# KiCad board Si5351ABreakout_panel.kicad_pcb (continued)
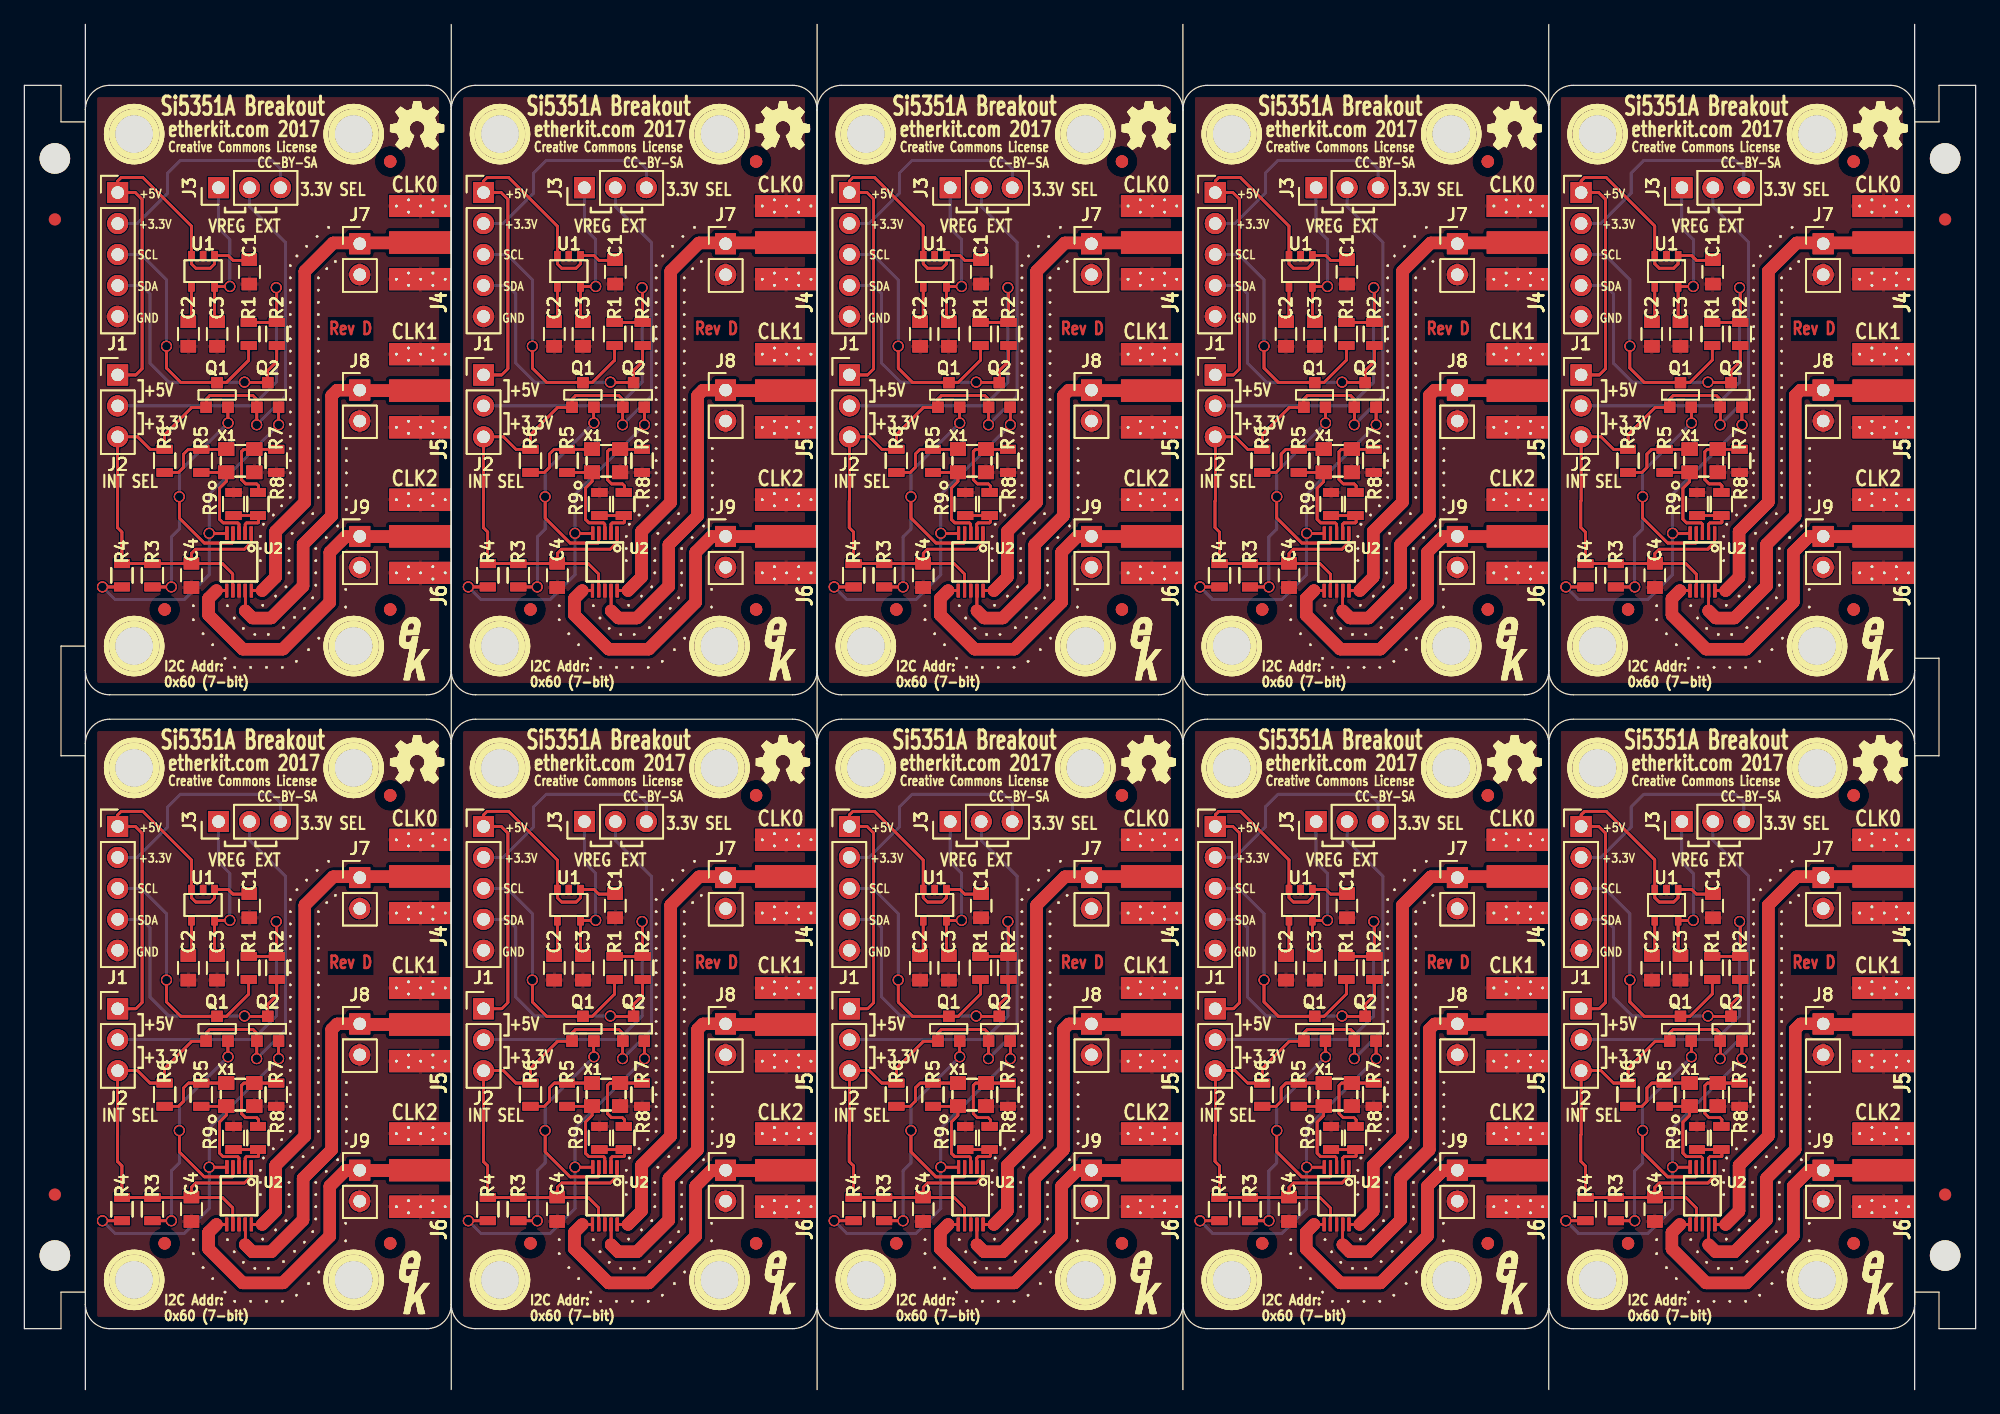
[diagram p0: board, top side]
## Placement (name value [footprint] x y rotation side) (continued)
J1#28  Power/Data  [Pin_Header_Straight_1x05_Pitch2.54mm]  37.65 46.2 0 top
J1#29  Power/Data  [Pin_Header_Straight_1x05_Pitch2.54mm]  67.65 46.2 0 top
J1#30  Power/Data  [Pin_Header_Straight_1x05_Pitch2.54mm]  67.65 46.2 0 top
J1#31  Power/Data  [Pin_Header_Straight_1x05_Pitch2.54mm]  67.65 46.2 0 top
J1#32  Power/Data  [Pin_Header_Straight_1x05_Pitch2.54mm]  67.65 46.2 0 top
J1#33  Power/Data  [Pin_Header_Straight_1x05_Pitch2.54mm]  127.65 46.2 0 top
J1#34  Power/Data  [Pin_Header_Straight_1x05_Pitch2.54mm]  127.65 46.2 0 top
J1#35  Power/Data  [Pin_Header_Straight_1x05_Pitch2.54mm]  127.65 46.2 0 top
J1#36  Power/Data  [Pin_Header_Straight_1x05_Pitch2.54mm]  127.65 46.2 0 top
J1#37  Power/Data  [Pin_Header_Straight_1x05_Pitch2.54mm]  97.65 46.2 0 top
J1#38  Power/Data  [Pin_Header_Straight_1x05_Pitch2.54mm]  97.65 46.2 0 top
J1#39  Power/Data  [Pin_Header_Straight_1x05_Pitch2.54mm]  97.65 46.2 0 top
J1#40  Power/Data  [Pin_Header_Straight_1x05_Pitch2.54mm]  97.65 46.2 0 top
J2  PS SEL  [Pin_Header_Straight_1x03_Pitch2.54mm]  7.65 83.24 0 top
J2#2  PS SEL  [Pin_Header_Straight_1x03_Pitch2.54mm]  37.65 83.24 0 top
J2#3  PS SEL  [Pin_Header_Straight_1x03_Pitch2.54mm]  67.65 83.24 0 top
J2#4  PS SEL  [Pin_Header_Straight_1x03_Pitch2.54mm]  97.65 83.24 0 top
J2#5  PS SEL  [Pin_Header_Straight_1x03_Pitch2.54mm]  127.65 83.24 0 top
J2#6  PS SEL  [Pin_Header_Straight_1x03_Pitch2.54mm]  7.65 83.24 0 top
J2#7  PS SEL  [Pin_Header_Straight_1x03_Pitch2.54mm]  37.65 83.24 0 top
J2#8  PS SEL  [Pin_Header_Straight_1x03_Pitch2.54mm]  67.65 83.24 0 top
J2#9  PS SEL  [Pin_Header_Straight_1x03_Pitch2.54mm]  97.65 83.24 0 top
J2#10  PS SEL  [Pin_Header_Straight_1x03_Pitch2.54mm]  127.65 83.24 0 top
J2#11  PS SEL  [Pin_Header_Straight_1x03_Pitch2.54mm]  127.65 83.24 0 top
J2#12  PS SEL  [Pin_Header_Straight_1x03_Pitch2.54mm]  97.65 83.24 0 top
J2#13  PS SEL  [Pin_Header_Straight_1x03_Pitch2.54mm]  67.65 83.24 0 top
J2#14  PS SEL  [Pin_Header_Straight_1x03_Pitch2.54mm]  37.65 83.24 0 top
J2#15  PS SEL  [Pin_Header_Straight_1x03_Pitch2.54mm]  7.65 83.24 0 top
J2#16  PS SEL  [Pin_Header_Straight_1x03_Pitch2.54mm]  7.65 83.24 0 top
J2#17  PS SEL  [Pin_Header_Straight_1x03_Pitch2.54mm]  37.65 83.24 0 top
J2#18  PS SEL  [Pin_Header_Straight_1x03_Pitch2.54mm]  67.65 83.24 0 top
J2#19  PS SEL  [Pin_Header_Straight_1x03_Pitch2.54mm]  97.65 83.24 0 top
J2#20  PS SEL  [Pin_Header_Straight_1x03_Pitch2.54mm]  127.65 83.24 0 top
J2#21  PS SEL  [Pin_Header_Straight_1x03_Pitch2.54mm]  67.65 31.24 0 top
J2#22  PS SEL  [Pin_Header_Straight_1x03_Pitch2.54mm]  67.65 31.24 0 top
J2#23  PS SEL  [Pin_Header_Straight_1x03_Pitch2.54mm]  67.65 31.24 0 top
J2#24  PS SEL  [Pin_Header_Straight_1x03_Pitch2.54mm]  67.65 31.24 0 top
J2#25  PS SEL  [Pin_Header_Straight_1x03_Pitch2.54mm]  7.65 31.24 0 top
J2#26  PS SEL  [Pin_Header_Straight_1x03_Pitch2.54mm]  7.65 31.24 0 top
J2#27  PS SEL  [Pin_Header_Straight_1x03_Pitch2.54mm]  7.65 31.24 0 top
J2#28  PS SEL  [Pin_Header_Straight_1x03_Pitch2.54mm]  7.65 31.24 0 top
J2#29  PS SEL  [Pin_Header_Straight_1x03_Pitch2.54mm]  37.65 31.24 0 top
J2#30  PS SEL  [Pin_Header_Straight_1x03_Pitch2.54mm]  37.65 31.24 0 top
J2#31  PS SEL  [Pin_Header_Straight_1x03_Pitch2.54mm]  37.65 31.24 0 top
J2#32  PS SEL  [Pin_Header_Straight_1x03_Pitch2.54mm]  37.65 31.24 0 top
J2#33  PS SEL  [Pin_Header_Straight_1x03_Pitch2.54mm]  127.65 31.24 0 top
J2#34  PS SEL  [Pin_Header_Straight_1x03_Pitch2.54mm]  127.65 31.24 0 top
J2#35  PS SEL  [Pin_Header_Straight_1x03_Pitch2.54mm]  127.65 31.24 0 top
J2#36  PS SEL  [Pin_Header_Straight_1x03_Pitch2.54mm]  127.65 31.24 0 top
J2#37  PS SEL  [Pin_Header_Straight_1x03_Pitch2.54mm]  97.65 31.24 0 top
J2#38  PS SEL  [Pin_Header_Straight_1x03_Pitch2.54mm]  97.65 31.24 0 top
J2#39  PS SEL  [Pin_Header_Straight_1x03_Pitch2.54mm]  97.65 31.24 0 top
J2#40  PS SEL  [Pin_Header_Straight_1x03_Pitch2.54mm]  97.65 31.24 0 top
J3  3.3V SEL  [Pin_Header_Straight_1x03_Pitch2.54mm]  15.92 98.6 90 top
J3#2  3.3V SEL  [Pin_Header_Straight_1x03_Pitch2.54mm]  45.92 98.6 90 top
J3#3  3.3V SEL  [Pin_Header_Straight_1x03_Pitch2.54mm]  75.92 98.6 90 top
J3#4  3.3V SEL  [Pin_Header_Straight_1x03_Pitch2.54mm]  105.92 98.6 90 top
J3#5  3.3V SEL  [Pin_Header_Straight_1x03_Pitch2.54mm]  135.92 98.6 90 top
J3#6  3.3V SEL  [Pin_Header_Straight_1x03_Pitch2.54mm]  15.92 98.6 90 top
J3#7  3.3V SEL  [Pin_Header_Straight_1x03_Pitch2.54mm]  45.92 98.6 90 top
J3#8  3.3V SEL  [Pin_Header_Straight_1x03_Pitch2.54mm]  75.92 98.6 90 top
J3#9  3.3V SEL  [Pin_Header_Straight_1x03_Pitch2.54mm]  105.92 98.6 90 top
J3#10  3.3V SEL  [Pin_Header_Straight_1x03_Pitch2.54mm]  135.92 98.6 90 top
J3#11  3.3V SEL  [Pin_Header_Straight_1x03_Pitch2.54mm]  135.92 98.6 90 top
J3#12  3.3V SEL  [Pin_Header_Straight_1x03_Pitch2.54mm]  105.92 98.6 90 top
J3#13  3.3V SEL  [Pin_Header_Straight_1x03_Pitch2.54mm]  75.92 98.6 90 top
J3#14  3.3V SEL  [Pin_Header_Straight_1x03_Pitch2.54mm]  45.92 98.6 90 top
J3#15  3.3V SEL  [Pin_Header_Straight_1x03_Pitch2.54mm]  15.92 98.6 90 top
J3#16  3.3V SEL  [Pin_Header_Straight_1x03_Pitch2.54mm]  15.92 98.6 90 top
J3#17  3.3V SEL  [Pin_Header_Straight_1x03_Pitch2.54mm]  45.92 98.6 90 top
J3#18  3.3V SEL  [Pin_Header_Straight_1x03_Pitch2.54mm]  75.92 98.6 90 top
J3#19  3.3V SEL  [Pin_Header_Straight_1x03_Pitch2.54mm]  105.92 98.6 90 top
J3#20  3.3V SEL  [Pin_Header_Straight_1x03_Pitch2.54mm]  135.92 98.6 90 top
J3#21  3.3V SEL  [Pin_Header_Straight_1x03_Pitch2.54mm]  15.92 46.6 90 top
J3#22  3.3V SEL  [Pin_Header_Straight_1x03_Pitch2.54mm]  15.92 46.6 90 top
J3#23  3.3V SEL  [Pin_Header_Straight_1x03_Pitch2.54mm]  15.92 46.6 90 top
J3#24  3.3V SEL  [Pin_Header_Straight_1x03_Pitch2.54mm]  15.92 46.6 90 top
J3#25  3.3V SEL  [Pin_Header_Straight_1x03_Pitch2.54mm]  75.92 46.6 90 top
J3#26  3.3V SEL  [Pin_Header_Straight_1x03_Pitch2.54mm]  75.92 46.6 90 top
J3#27  3.3V SEL  [Pin_Header_Straight_1x03_Pitch2.54mm]  75.92 46.6 90 top
J3#28  3.3V SEL  [Pin_Header_Straight_1x03_Pitch2.54mm]  75.92 46.6 90 top
J3#29  3.3V SEL  [Pin_Header_Straight_1x03_Pitch2.54mm]  45.92 46.6 90 top
J3#30  3.3V SEL  [Pin_Header_Straight_1x03_Pitch2.54mm]  45.92 46.6 90 top
J3#31  3.3V SEL  [Pin_Header_Straight_1x03_Pitch2.54mm]  45.92 46.6 90 top
J3#32  3.3V SEL  [Pin_Header_Straight_1x03_Pitch2.54mm]  45.92 46.6 90 top
J3#33  3.3V SEL  [Pin_Header_Straight_1x03_Pitch2.54mm]  135.92 46.6 90 top
J3#34  3.3V SEL  [Pin_Header_Straight_1x03_Pitch2.54mm]  135.92 46.6 90 top
J3#35  3.3V SEL  [Pin_Header_Straight_1x03_Pitch2.54mm]  135.92 46.6 90 top
J3#36  3.3V SEL  [Pin_Header_Straight_1x03_Pitch2.54mm]  135.92 46.6 90 top
J3#37  3.3V SEL  [Pin_Header_Straight_1x03_Pitch2.54mm]  105.92 46.6 90 top
J3#38  3.3V SEL  [Pin_Header_Straight_1x03_Pitch2.54mm]  105.92 46.6 90 top
J3#39  3.3V SEL  [Pin_Header_Straight_1x03_Pitch2.54mm]  105.92 46.6 90 top
J3#40  3.3V SEL  [Pin_Header_Straight_1x03_Pitch2.54mm]  105.92 46.6 90 top
J4  SMA-F  [SMA-ENDLAUNCH]  35 94.1 90 top
J4#2  SMA-F  [SMA-ENDLAUNCH]  65 94.1 90 top
J4#3  SMA-F  [SMA-ENDLAUNCH]  95 94.1 90 top
J4#4  SMA-F  [SMA-ENDLAUNCH]  125 94.1 90 top
J4#5  SMA-F  [SMA-ENDLAUNCH]  155 94.1 90 top
J4#6  SMA-F  [SMA-ENDLAUNCH]  35 94.1 90 top
J4#7  SMA-F  [SMA-ENDLAUNCH]  65 94.1 90 top
J4#8  SMA-F  [SMA-ENDLAUNCH]  95 94.1 90 top
J4#9  SMA-F  [SMA-ENDLAUNCH]  125 94.1 90 top
J4#10  SMA-F  [SMA-ENDLAUNCH]  155 94.1 90 top
J4#11  SMA-F  [SMA-ENDLAUNCH]  155 94.1 90 top
J4#12  SMA-F  [SMA-ENDLAUNCH]  125 94.1 90 top
J4#13  SMA-F  [SMA-ENDLAUNCH]  95 94.1 90 top
J4#14  SMA-F  [SMA-ENDLAUNCH]  65 94.1 90 top
J4#15  SMA-F  [SMA-ENDLAUNCH]  35 94.1 90 top
J4#16  SMA-F  [SMA-ENDLAUNCH]  35 94.1 90 top
J4#17  SMA-F  [SMA-ENDLAUNCH]  65 94.1 90 top
J4#18  SMA-F  [SMA-ENDLAUNCH]  95 94.1 90 top
J4#19  SMA-F  [SMA-ENDLAUNCH]  125 94.1 90 top
J4#20  SMA-F  [SMA-ENDLAUNCH]  155 94.1 90 top
J4#21  SMA-F  [SMA-ENDLAUNCH]  35 42.1 90 top
J4#22  SMA-F  [SMA-ENDLAUNCH]  35 42.1 90 top
J4#23  SMA-F  [SMA-ENDLAUNCH]  35 42.1 90 top
J4#24  SMA-F  [SMA-ENDLAUNCH]  35 42.1 90 top
J4#25  SMA-F  [SMA-ENDLAUNCH]  65 42.1 90 top
J4#26  SMA-F  [SMA-ENDLAUNCH]  65 42.1 90 top
J4#27  SMA-F  [SMA-ENDLAUNCH]  65 42.1 90 top
J4#28  SMA-F  [SMA-ENDLAUNCH]  65 42.1 90 top
J4#29  SMA-F  [SMA-ENDLAUNCH]  155 42.1 90 top
J4#30  SMA-F  [SMA-ENDLAUNCH]  155 42.1 90 top
J4#31  SMA-F  [SMA-ENDLAUNCH]  155 42.1 90 top
J4#32  SMA-F  [SMA-ENDLAUNCH]  155 42.1 90 top
J4#33  SMA-F  [SMA-ENDLAUNCH]  125 42.1 90 top
J4#34  SMA-F  [SMA-ENDLAUNCH]  125 42.1 90 top
J4#35  SMA-F  [SMA-ENDLAUNCH]  125 42.1 90 top
J4#36  SMA-F  [SMA-ENDLAUNCH]  125 42.1 90 top
J4#37  SMA-F  [SMA-ENDLAUNCH]  95 42.1 90 top
J4#38  SMA-F  [SMA-ENDLAUNCH]  95 42.1 90 top
J4#39  SMA-F  [SMA-ENDLAUNCH]  95 42.1 90 top
J4#40  SMA-F  [SMA-ENDLAUNCH]  95 42.1 90 top
J5  SMA-F  [SMA-ENDLAUNCH]  35 81.95 90 top
J5#2  SMA-F  [SMA-ENDLAUNCH]  65 81.95 90 top
J5#3  SMA-F  [SMA-ENDLAUNCH]  95 81.95 90 top
J5#4  SMA-F  [SMA-ENDLAUNCH]  125 81.95 90 top
J5#5  SMA-F  [SMA-ENDLAUNCH]  155 81.95 90 top
J5#6  SMA-F  [SMA-ENDLAUNCH]  35 81.95 90 top
J5#7  SMA-F  [SMA-ENDLAUNCH]  65 81.95 90 top
J5#8  SMA-F  [SMA-ENDLAUNCH]  95 81.95 90 top
J5#9  SMA-F  [SMA-ENDLAUNCH]  125 81.95 90 top
J5#10  SMA-F  [SMA-ENDLAUNCH]  155 81.95 90 top
J5#11  SMA-F  [SMA-ENDLAUNCH]  155 81.95 90 top
J5#12  SMA-F  [SMA-ENDLAUNCH]  125 81.95 90 top
J5#13  SMA-F  [SMA-ENDLAUNCH]  95 81.95 90 top
J5#14  SMA-F  [SMA-ENDLAUNCH]  65 81.95 90 top
J5#15  SMA-F  [SMA-ENDLAUNCH]  35 81.95 90 top
J5#16  SMA-F  [SMA-ENDLAUNCH]  35 81.95 90 top
J5#17  SMA-F  [SMA-ENDLAUNCH]  65 81.95 90 top
J5#18  SMA-F  [SMA-ENDLAUNCH]  95 81.95 90 top
J5#19  SMA-F  [SMA-ENDLAUNCH]  125 81.95 90 top
J5#20  SMA-F  [SMA-ENDLAUNCH]  155 81.95 90 top
J5#21  SMA-F  [SMA-ENDLAUNCH]  65 29.95 90 top
J5#22  SMA-F  [SMA-ENDLAUNCH]  65 29.95 90 top
J5#23  SMA-F  [SMA-ENDLAUNCH]  65 29.95 90 top
J5#24  SMA-F  [SMA-ENDLAUNCH]  65 29.95 90 top
J5#25  SMA-F  [SMA-ENDLAUNCH]  35 29.95 90 top
J5#26  SMA-F  [SMA-ENDLAUNCH]  35 29.95 90 top
J5#27  SMA-F  [SMA-ENDLAUNCH]  35 29.95 90 top
J5#28  SMA-F  [SMA-ENDLAUNCH]  35 29.95 90 top
J5#29  SMA-F  [SMA-ENDLAUNCH]  155 29.95 90 top
J5#30  SMA-F  [SMA-ENDLAUNCH]  155 29.95 90 top
J5#31  SMA-F  [SMA-ENDLAUNCH]  155 29.95 90 top
J5#32  SMA-F  [SMA-ENDLAUNCH]  155 29.95 90 top
J5#33  SMA-F  [SMA-ENDLAUNCH]  125 29.95 90 top
J5#34  SMA-F  [SMA-ENDLAUNCH]  125 29.95 90 top
J5#35  SMA-F  [SMA-ENDLAUNCH]  125 29.95 90 top
J5#36  SMA-F  [SMA-ENDLAUNCH]  125 29.95 90 top
J5#37  SMA-F  [SMA-ENDLAUNCH]  95 29.95 90 top
J5#38  SMA-F  [SMA-ENDLAUNCH]  95 29.95 90 top
J5#39  SMA-F  [SMA-ENDLAUNCH]  95 29.95 90 top
J5#40  SMA-F  [SMA-ENDLAUNCH]  95 29.95 90 top
J6  SMA-F  [SMA-ENDLAUNCH]  35 70 90 top
J6#2  SMA-F  [SMA-ENDLAUNCH]  65 70 90 top
J6#3  SMA-F  [SMA-ENDLAUNCH]  95 70 90 top
J6#4  SMA-F  [SMA-ENDLAUNCH]  125 70 90 top
J6#5  SMA-F  [SMA-ENDLAUNCH]  155 70 90 top
J6#6  SMA-F  [SMA-ENDLAUNCH]  35 70 90 top
J6#7  SMA-F  [SMA-ENDLAUNCH]  65 70 90 top
J6#8  SMA-F  [SMA-ENDLAUNCH]  95 70 90 top
J6#9  SMA-F  [SMA-ENDLAUNCH]  125 70 90 top
J6#10  SMA-F  [SMA-ENDLAUNCH]  155 70 90 top
J6#11  SMA-F  [SMA-ENDLAUNCH]  155 70 90 top
J6#12  SMA-F  [SMA-ENDLAUNCH]  125 70 90 top
J6#13  SMA-F  [SMA-ENDLAUNCH]  95 70 90 top
J6#14  SMA-F  [SMA-ENDLAUNCH]  65 70 90 top
J6#15  SMA-F  [SMA-ENDLAUNCH]  35 70 90 top
J6#16  SMA-F  [SMA-ENDLAUNCH]  35 70 90 top
J6#17  SMA-F  [SMA-ENDLAUNCH]  65 70 90 top
J6#18  SMA-F  [SMA-ENDLAUNCH]  95 70 90 top
J6#19  SMA-F  [SMA-ENDLAUNCH]  125 70 90 top
J6#20  SMA-F  [SMA-ENDLAUNCH]  155 70 90 top
J6#21  SMA-F  [SMA-ENDLAUNCH]  65 18 90 top
J6#22  SMA-F  [SMA-ENDLAUNCH]  65 18 90 top
J6#23  SMA-F  [SMA-ENDLAUNCH]  65 18 90 top
J6#24  SMA-F  [SMA-ENDLAUNCH]  65 18 90 top
J6#25  SMA-F  [SMA-ENDLAUNCH]  35 18 90 top
J6#26  SMA-F  [SMA-ENDLAUNCH]  35 18 90 top
J6#27  SMA-F  [SMA-ENDLAUNCH]  35 18 90 top
J6#28  SMA-F  [SMA-ENDLAUNCH]  35 18 90 top
J6#29  SMA-F  [SMA-ENDLAUNCH]  155 18 90 top
J6#30  SMA-F  [SMA-ENDLAUNCH]  155 18 90 top
J6#31  SMA-F  [SMA-ENDLAUNCH]  155 18 90 top
J6#32  SMA-F  [SMA-ENDLAUNCH]  155 18 90 top
J6#33  SMA-F  [SMA-ENDLAUNCH]  125 18 90 top
J6#34  SMA-F  [SMA-ENDLAUNCH]  125 18 90 top
J6#35  SMA-F  [SMA-ENDLAUNCH]  125 18 90 top
J6#36  SMA-F  [SMA-ENDLAUNCH]  125 18 90 top
J6#37  SMA-F  [SMA-ENDLAUNCH]  95 18 90 top
J6#38  SMA-F  [SMA-ENDLAUNCH]  95 18 90 top
J6#39  SMA-F  [SMA-ENDLAUNCH]  95 18 90 top
J6#40  SMA-F  [SMA-ENDLAUNCH]  95 18 90 top
J7  CLK0  [Pin_Header_Straight_1x02_Pitch2.54mm]  27.5 94 0 top
J7#2  CLK0  [Pin_Header_Straight_1x02_Pitch2.54mm]  57.5 94 0 top
J7#3  CLK0  [Pin_Header_Straight_1x02_Pitch2.54mm]  87.5 94 0 top
J7#4  CLK0  [Pin_Header_Straight_1x02_Pitch2.54mm]  117.5 94 0 top
J7#5  CLK0  [Pin_Header_Straight_1x02_Pitch2.54mm]  147.5 94 0 top
J7#6  CLK0  [Pin_Header_Straight_1x02_Pitch2.54mm]  27.5 94 0 top
J7#7  CLK0  [Pin_Header_Straight_1x02_Pitch2.54mm]  57.5 94 0 top
J7#8  CLK0  [Pin_Header_Straight_1x02_Pitch2.54mm]  87.5 94 0 top
J7#9  CLK0  [Pin_Header_Straight_1x02_Pitch2.54mm]  117.5 94 0 top
J7#10  CLK0  [Pin_Header_Straight_1x02_Pitch2.54mm]  147.5 94 0 top
J7#11  CLK0  [Pin_Header_Straight_1x02_Pitch2.54mm]  147.5 94 0 top
J7#12  CLK0  [Pin_Header_Straight_1x02_Pitch2.54mm]  117.5 94 0 top
J7#13  CLK0  [Pin_Header_Straight_1x02_Pitch2.54mm]  87.5 94 0 top
J7#14  CLK0  [Pin_Header_Straight_1x02_Pitch2.54mm]  57.5 94 0 top
J7#15  CLK0  [Pin_Header_Straight_1x02_Pitch2.54mm]  27.5 94 0 top
J7#16  CLK0  [Pin_Header_Straight_1x02_Pitch2.54mm]  27.5 94 0 top
J7#17  CLK0  [Pin_Header_Straight_1x02_Pitch2.54mm]  57.5 94 0 top
J7#18  CLK0  [Pin_Header_Straight_1x02_Pitch2.54mm]  87.5 94 0 top
J7#19  CLK0  [Pin_Header_Straight_1x02_Pitch2.54mm]  117.5 94 0 top
J7#20  CLK0  [Pin_Header_Straight_1x02_Pitch2.54mm]  147.5 94 0 top
J7#21  CLK0  [Pin_Header_Straight_1x02_Pitch2.54mm]  27.5 42 0 top
J7#22  CLK0  [Pin_Header_Straight_1x02_Pitch2.54mm]  27.5 42 0 top
J7#23  CLK0  [Pin_Header_Straight_1x02_Pitch2.54mm]  27.5 42 0 top
J7#24  CLK0  [Pin_Header_Straight_1x02_Pitch2.54mm]  27.5 42 0 top
J7#25  CLK0  [Pin_Header_Straight_1x02_Pitch2.54mm]  57.5 42 0 top
J7#26  CLK0  [Pin_Header_Straight_1x02_Pitch2.54mm]  57.5 42 0 top
J7#27  CLK0  [Pin_Header_Straight_1x02_Pitch2.54mm]  57.5 42 0 top
J7#28  CLK0  [Pin_Header_Straight_1x02_Pitch2.54mm]  57.5 42 0 top
J7#29  CLK0  [Pin_Header_Straight_1x02_Pitch2.54mm]  147.5 42 0 top
J7#30  CLK0  [Pin_Header_Straight_1x02_Pitch2.54mm]  147.5 42 0 top
J7#31  CLK0  [Pin_Header_Straight_1x02_Pitch2.54mm]  147.5 42 0 top
J7#32  CLK0  [Pin_Header_Straight_1x02_Pitch2.54mm]  147.5 42 0 top
J7#33  CLK0  [Pin_Header_Straight_1x02_Pitch2.54mm]  117.5 42 0 top
J7#34  CLK0  [Pin_Header_Straight_1x02_Pitch2.54mm]  117.5 42 0 top
J7#35  CLK0  [Pin_Header_Straight_1x02_Pitch2.54mm]  117.5 42 0 top
J7#36  CLK0  [Pin_Header_Straight_1x02_Pitch2.54mm]  117.5 42 0 top
J7#37  CLK0  [Pin_Header_Straight_1x02_Pitch2.54mm]  87.5 42 0 top
J7#38  CLK0  [Pin_Header_Straight_1x02_Pitch2.54mm]  87.5 42 0 top
J7#39  CLK0  [Pin_Header_Straight_1x02_Pitch2.54mm]  87.5 42 0 top
J7#40  CLK0  [Pin_Header_Straight_1x02_Pitch2.54mm]  87.5 42 0 top
J8  CLK1  [Pin_Header_Straight_1x02_Pitch2.54mm]  27.5 82 0 top
J8#2  CLK1  [Pin_Header_Straight_1x02_Pitch2.54mm]  57.5 82 0 top
J8#3  CLK1  [Pin_Header_Straight_1x02_Pitch2.54mm]  87.5 82 0 top
J8#4  CLK1  [Pin_Header_Straight_1x02_Pitch2.54mm]  117.5 82 0 top
J8#5  CLK1  [Pin_Header_Straight_1x02_Pitch2.54mm]  147.5 82 0 top
J8#6  CLK1  [Pin_Header_Straight_1x02_Pitch2.54mm]  27.5 82 0 top
J8#7  CLK1  [Pin_Header_Straight_1x02_Pitch2.54mm]  57.5 82 0 top
J8#8  CLK1  [Pin_Header_Straight_1x02_Pitch2.54mm]  87.5 82 0 top
J8#9  CLK1  [Pin_Header_Straight_1x02_Pitch2.54mm]  117.5 82 0 top
J8#10  CLK1  [Pin_Header_Straight_1x02_Pitch2.54mm]  147.5 82 0 top
J8#11  CLK1  [Pin_Header_Straight_1x02_Pitch2.54mm]  147.5 82 0 top
J8#12  CLK1  [Pin_Header_Straight_1x02_Pitch2.54mm]  117.5 82 0 top
J8#13  CLK1  [Pin_Header_Straight_1x02_Pitch2.54mm]  87.5 82 0 top
J8#14  CLK1  [Pin_Header_Straight_1x02_Pitch2.54mm]  57.5 82 0 top
J8#15  CLK1  [Pin_Header_Straight_1x02_Pitch2.54mm]  27.5 82 0 top
J8#16  CLK1  [Pin_Header_Straight_1x02_Pitch2.54mm]  27.5 82 0 top
J8#17  CLK1  [Pin_Header_Straight_1x02_Pitch2.54mm]  57.5 82 0 top
J8#18  CLK1  [Pin_Header_Straight_1x02_Pitch2.54mm]  87.5 82 0 top
J8#19  CLK1  [Pin_Header_Straight_1x02_Pitch2.54mm]  117.5 82 0 top
J8#20  CLK1  [Pin_Header_Straight_1x02_Pitch2.54mm]  147.5 82 0 top
J8#21  CLK1  [Pin_Header_Straight_1x02_Pitch2.54mm]  57.5 30 0 top
J8#22  CLK1  [Pin_Header_Straight_1x02_Pitch2.54mm]  57.5 30 0 top
J8#23  CLK1  [Pin_Header_Straight_1x02_Pitch2.54mm]  57.5 30 0 top
J8#24  CLK1  [Pin_Header_Straight_1x02_Pitch2.54mm]  27.5 30 0 top
J8#25  CLK1  [Pin_Header_Straight_1x02_Pitch2.54mm]  27.5 30 0 top
J8#26  CLK1  [Pin_Header_Straight_1x02_Pitch2.54mm]  27.5 30 0 top
J8#27  CLK1  [Pin_Header_Straight_1x02_Pitch2.54mm]  27.5 30 0 top
J8#28  CLK1  [Pin_Header_Straight_1x02_Pitch2.54mm]  57.5 30 0 top
J8#29  CLK1  [Pin_Header_Straight_1x02_Pitch2.54mm]  147.5 30 0 top
J8#30  CLK1  [Pin_Header_Straight_1x02_Pitch2.54mm]  147.5 30 0 top
J8#31  CLK1  [Pin_Header_Straight_1x02_Pitch2.54mm]  147.5 30 0 top
J8#32  CLK1  [Pin_Header_Straight_1x02_Pitch2.54mm]  147.5 30 0 top
J8#33  CLK1  [Pin_Header_Straight_1x02_Pitch2.54mm]  117.5 30 0 top
J8#34  CLK1  [Pin_Header_Straight_1x02_Pitch2.54mm]  117.5 30 0 top
J8#35  CLK1  [Pin_Header_Straight_1x02_Pitch2.54mm]  117.5 30 0 top
J8#36  CLK1  [Pin_Header_Straight_1x02_Pitch2.54mm]  117.5 30 0 top
J8#37  CLK1  [Pin_Header_Straight_1x02_Pitch2.54mm]  87.5 30 0 top
J8#38  CLK1  [Pin_Header_Straight_1x02_Pitch2.54mm]  87.5 30 0 top
J8#39  CLK1  [Pin_Header_Straight_1x02_Pitch2.54mm]  87.5 30 0 top
J8#40  CLK1  [Pin_Header_Straight_1x02_Pitch2.54mm]  87.5 30 0 top
J9  CLK2  [Pin_Header_Straight_1x02_Pitch2.54mm]  27.5 70 0 top
J9#2  CLK2  [Pin_Header_Straight_1x02_Pitch2.54mm]  57.5 70 0 top
J9#3  CLK2  [Pin_Header_Straight_1x02_Pitch2.54mm]  87.5 70 0 top
J9#4  CLK2  [Pin_Header_Straight_1x02_Pitch2.54mm]  117.5 70 0 top
J9#5  CLK2  [Pin_Header_Straight_1x02_Pitch2.54mm]  147.5 70 0 top
J9#6  CLK2  [Pin_Header_Straight_1x02_Pitch2.54mm]  27.5 70 0 top
J9#7  CLK2  [Pin_Header_Straight_1x02_Pitch2.54mm]  57.5 70 0 top
J9#8  CLK2  [Pin_Header_Straight_1x02_Pitch2.54mm]  87.5 70 0 top
J9#9  CLK2  [Pin_Header_Straight_1x02_Pitch2.54mm]  117.5 70 0 top
J9#10  CLK2  [Pin_Header_Straight_1x02_Pitch2.54mm]  147.5 70 0 top
J9#11  CLK2  [Pin_Header_Straight_1x02_Pitch2.54mm]  147.5 70 0 top
J9#12  CLK2  [Pin_Header_Straight_1x02_Pitch2.54mm]  117.5 70 0 top
J9#13  CLK2  [Pin_Header_Straight_1x02_Pitch2.54mm]  87.5 70 0 top
J9#14  CLK2  [Pin_Header_Straight_1x02_Pitch2.54mm]  57.5 70 0 top
J9#15  CLK2  [Pin_Header_Straight_1x02_Pitch2.54mm]  27.5 70 0 top
J9#16  CLK2  [Pin_Header_Straight_1x02_Pitch2.54mm]  27.5 70 0 top
J9#17  CLK2  [Pin_Header_Straight_1x02_Pitch2.54mm]  57.5 70 0 top
J9#18  CLK2  [Pin_Header_Straight_1x02_Pitch2.54mm]  87.5 70 0 top
J9#19  CLK2  [Pin_Header_Straight_1x02_Pitch2.54mm]  117.5 70 0 top
J9#20  CLK2  [Pin_Header_Straight_1x02_Pitch2.54mm]  147.5 70 0 top
J9#21  CLK2  [Pin_Header_Straight_1x02_Pitch2.54mm]  57.5 18 0 top
J9#22  CLK2  [Pin_Header_Straight_1x02_Pitch2.54mm]  57.5 18 0 top
J9#23  CLK2  [Pin_Header_Straight_1x02_Pitch2.54mm]  57.5 18 0 top
J9#24  CLK2  [Pin_Header_Straight_1x02_Pitch2.54mm]  57.5 18 0 top
J9#25  CLK2  [Pin_Header_Straight_1x02_Pitch2.54mm]  27.5 18 0 top
J9#26  CLK2  [Pin_Header_Straight_1x02_Pitch2.54mm]  27.5 18 0 top
J9#27  CLK2  [Pin_Header_Straight_1x02_Pitch2.54mm]  27.5 18 0 top
J9#28  CLK2  [Pin_Header_Straight_1x02_Pitch2.54mm]  27.5 18 0 top
J9#29  CLK2  [Pin_Header_Straight_1x02_Pitch2.54mm]  147.5 18 0 top
J9#30  CLK2  [Pin_Header_Straight_1x02_Pitch2.54mm]  147.5 18 0 top
J9#31  CLK2  [Pin_Header_Straight_1x02_Pitch2.54mm]  147.5 18 0 top
J9#32  CLK2  [Pin_Header_Straight_1x02_Pitch2.54mm]  147.5 18 0 top
J9#33  CLK2  [Pin_Header_Straight_1x02_Pitch2.54mm]  117.5 18 0 top
J9#34  CLK2  [Pin_Header_Straight_1x02_Pitch2.54mm]  117.5 18 0 top
J9#35  CLK2  [Pin_Header_Straight_1x02_Pitch2.54mm]  117.5 18 0 top
J9#36  CLK2  [Pin_Header_Straight_1x02_Pitch2.54mm]  117.5 18 0 top
J9#37  CLK2  [Pin_Header_Straight_1x02_Pitch2.54mm]  87.5 18 0 top
J9#38  CLK2  [Pin_Header_Straight_1x02_Pitch2.54mm]  87.5 18 0 top
J9#39  CLK2  [Pin_Header_Straight_1x02_Pitch2.54mm]  87.5 18 0 top
J9#40  CLK2  [Pin_Header_Straight_1x02_Pitch2.54mm]  87.5 18 0 top
Q1  2N7002  [SOT23-2N7002]  15.8 81.6 180 top
Q1#2  2N7002  [SOT23-2N7002]  45.8 81.6 180 top
Q1#3  2N7002  [SOT23-2N7002]  75.8 81.6 180 top
Q1#4  2N7002  [SOT23-2N7002]  105.8 81.6 180 top
Q1#5  2N7002  [SOT23-2N7002]  135.8 81.6 180 top
Q1#6  2N7002  [SOT23-2N7002]  15.8 81.6 180 top
Q1#7  2N7002  [SOT23-2N7002]  45.8 81.6 180 top
Q1#8  2N7002  [SOT23-2N7002]  75.8 81.6 180 top
Q1#9  2N7002  [SOT23-2N7002]  105.8 81.6 180 top
Q1#10  2N7002  [SOT23-2N7002]  135.8 81.6 180 top
Q1#11  2N7002  [SOT23-2N7002]  135.8 81.6 180 top
Q1#12  2N7002  [SOT23-2N7002]  105.8 81.6 180 top
Q1#13  2N7002  [SOT23-2N7002]  75.8 81.6 180 top
Q1#14  2N7002  [SOT23-2N7002]  45.8 81.6 180 top
Q1#15  2N7002  [SOT23-2N7002]  15.8 81.6 180 top
Q1#16  2N7002  [SOT23-2N7002]  15.8 81.6 180 top
Q1#17  2N7002  [SOT23-2N7002]  45.8 81.6 180 top
Q1#18  2N7002  [SOT23-2N7002]  75.8 81.6 180 top
Q1#19  2N7002  [SOT23-2N7002]  105.8 81.6 180 top
Q1#20  2N7002  [SOT23-2N7002]  135.8 81.6 180 top
Q1#21  2N7002  [SOT23-2N7002]  75.8 29.6 180 top
Q1#22  2N7002  [SOT23-2N7002]  75.8 29.6 180 top
Q1#23  2N7002  [SOT23-2N7002]  75.8 29.6 180 top
Q1#24  2N7002  [SOT23-2N7002]  75.8 29.6 180 top
Q1#25  2N7002  [SOT23-2N7002]  15.8 29.6 180 top
Q1#26  2N7002  [SOT23-2N7002]  15.8 29.6 180 top
Q1#27  2N7002  [SOT23-2N7002]  15.8 29.6 180 top
Q1#28  2N7002  [SOT23-2N7002]  15.8 29.6 180 top
Q1#29  2N7002  [SOT23-2N7002]  45.8 29.6 180 top
Q1#30  2N7002  [SOT23-2N7002]  45.8 29.6 180 top
Q1#31  2N7002  [SOT23-2N7002]  45.8 29.6 180 top
Q1#32  2N7002  [SOT23-2N7002]  45.8 29.6 180 top
Q1#33  2N7002  [SOT23-2N7002]  135.8 29.6 180 top
Q1#34  2N7002  [SOT23-2N7002]  135.8 29.6 180 top
Q1#35  2N7002  [SOT23-2N7002]  135.8 29.6 180 top
Q1#36  2N7002  [SOT23-2N7002]  135.8 29.6 180 top
Q1#37  2N7002  [SOT23-2N7002]  105.8 29.6 180 top
Q1#38  2N7002  [SOT23-2N7002]  105.8 29.6 180 top
Q1#39  2N7002  [SOT23-2N7002]  105.8 29.6 180 top
Q1#40  2N7002  [SOT23-2N7002]  105.8 29.6 180 top
Q2  2N7002  [SOT23-2N7002]  19.95 81.6 180 top
Q2#2  2N7002  [SOT23-2N7002]  49.95 81.6 180 top
Q2#3  2N7002  [SOT23-2N7002]  79.95 81.6 180 top
Q2#4  2N7002  [SOT23-2N7002]  109.95 81.6 180 top
Q2#5  2N7002  [SOT23-2N7002]  139.95 81.6 180 top
Q2#6  2N7002  [SOT23-2N7002]  19.95 81.6 180 top
Q2#7  2N7002  [SOT23-2N7002]  49.95 81.6 180 top
Q2#8  2N7002  [SOT23-2N7002]  79.95 81.6 180 top
Q2#9  2N7002  [SOT23-2N7002]  109.95 81.6 180 top
Q2#10  2N7002  [SOT23-2N7002]  139.95 81.6 180 top
Q2#11  2N7002  [SOT23-2N7002]  139.95 81.6 180 top
Q2#12  2N7002  [SOT23-2N7002]  109.95 81.6 180 top
Q2#13  2N7002  [SOT23-2N7002]  79.95 81.6 180 top
Q2#14  2N7002  [SOT23-2N7002]  49.95 81.6 180 top
Q2#15  2N7002  [SOT23-2N7002]  19.95 81.6 180 top
Q2#16  2N7002  [SOT23-2N7002]  19.95 81.6 180 top
Q2#17  2N7002  [SOT23-2N7002]  49.95 81.6 180 top
Q2#18  2N7002  [SOT23-2N7002]  79.95 81.6 180 top
Q2#19  2N7002  [SOT23-2N7002]  109.95 81.6 180 top
Q2#20  2N7002  [SOT23-2N7002]  139.95 81.6 180 top
Q2#21  2N7002  [SOT23-2N7002]  79.95 29.6 180 top
Q2#22  2N7002  [SOT23-2N7002]  79.95 29.6 180 top
Q2#23  2N7002  [SOT23-2N7002]  19.95 29.6 180 top
Q2#24  2N7002  [SOT23-2N7002]  19.95 29.6 180 top
Q2#25  2N7002  [SOT23-2N7002]  19.95 29.6 180 top
Q2#26  2N7002  [SOT23-2N7002]  19.95 29.6 180 top
Q2#27  2N7002  [SOT23-2N7002]  79.95 29.6 180 top
Q2#28  2N7002  [SOT23-2N7002]  79.95 29.6 180 top
Q2#29  2N7002  [SOT23-2N7002]  49.95 29.6 180 top
Q2#30  2N7002  [SOT23-2N7002]  49.95 29.6 180 top
Q2#31  2N7002  [SOT23-2N7002]  49.95 29.6 180 top
Q2#32  2N7002  [SOT23-2N7002]  49.95 29.6 180 top
Q2#33  2N7002  [SOT23-2N7002]  139.95 29.6 180 top
Q2#34  2N7002  [SOT23-2N7002]  139.95 29.6 180 top
Q2#35  2N7002  [SOT23-2N7002]  139.95 29.6 180 top
Q2#36  2N7002  [SOT23-2N7002]  139.95 29.6 180 top
Q2#37  2N7002  [SOT23-2N7002]  109.95 29.6 180 top
Q2#38  2N7002  [SOT23-2N7002]  109.95 29.6 180 top
Q2#39  2N7002  [SOT23-2N7002]  109.95 29.6 180 top
Q2#40  2N7002  [SOT23-2N7002]  109.95 29.6 180 top
R1  10k  [R_0805]  18.4 86.6 270 top
R1#2  10k  [R_0805]  48.4 86.6 270 top
R1#3  10k  [R_0805]  78.4 86.6 270 top
R1#4  10k  [R_0805]  108.4 86.6 270 top
R1#5  10k  [R_0805]  138.4 86.6 270 top
R1#6  10k  [R_0805]  18.4 86.6 270 top
R1#7  10k  [R_0805]  48.4 86.6 270 top
R1#8  10k  [R_0805]  78.4 86.6 270 top
R1#9  10k  [R_0805]  108.4 86.6 270 top
R1#10  10k  [R_0805]  138.4 86.6 270 top
R1#11  10k  [R_0805]  138.4 86.6 270 top
R1#12  10k  [R_0805]  108.4 86.6 270 top
R1#13  10k  [R_0805]  78.4 86.6 270 top
R1#14  10k  [R_0805]  48.4 86.6 270 top
R1#15  10k  [R_0805]  18.4 86.6 270 top
R1#16  10k  [R_0805]  18.4 86.6 270 top
R1#17  10k  [R_0805]  48.4 86.6 270 top
R1#18  10k  [R_0805]  78.4 86.6 270 top
R1#19  10k  [R_0805]  108.4 86.6 270 top
R1#20  10k  [R_0805]  138.4 86.6 270 top
R1#21  10k  [R_0805]  18.4 34.6 270 top
R1#22  10k  [R_0805]  18.4 34.6 270 top
R1#23  10k  [R_0805]  18.4 34.6 270 top
R1#24  10k  [R_0805]  18.4 34.6 270 top
R1#25  10k  [R_0805]  78.4 34.6 270 top
R1#26  10k  [R_0805]  78.4 34.6 270 top
R1#27  10k  [R_0805]  78.4 34.6 270 top
R1#28  10k  [R_0805]  78.4 34.6 270 top
R1#29  10k  [R_0805]  48.4 34.6 270 top
R1#30  10k  [R_0805]  48.4 34.6 270 top
R1#31  10k  [R_0805]  48.4 34.6 270 top
R1#32  10k  [R_0805]  48.4 34.6 270 top
R1#33  10k  [R_0805]  138.4 34.6 270 top
R1#34  10k  [R_0805]  138.4 34.6 270 top
R1#35  10k  [R_0805]  138.4 34.6 270 top
R1#36  10k  [R_0805]  138.4 34.6 270 top
R1#37  10k  [R_0805]  108.4 34.6 270 top
R1#38  10k  [R_0805]  108.4 34.6 270 top
R1#39  10k  [R_0805]  108.4 34.6 270 top
R1#40  10k  [R_0805]  108.4 34.6 270 top
R2  10k  [R_0805]  20.7 86.6 270 top
R2#2  10k  [R_0805]  50.7 86.6 270 top
R2#3  10k  [R_0805]  80.7 86.6 270 top
R2#4  10k  [R_0805]  110.7 86.6 270 top
R2#5  10k  [R_0805]  140.7 86.6 270 top
R2#6  10k  [R_0805]  20.7 86.6 270 top
R2#7  10k  [R_0805]  50.7 86.6 270 top
R2#8  10k  [R_0805]  80.7 86.6 270 top
R2#9  10k  [R_0805]  110.7 86.6 270 top
R2#10  10k  [R_0805]  140.7 86.6 270 top
R2#11  10k  [R_0805]  140.7 86.6 270 top
R2#12  10k  [R_0805]  110.7 86.6 270 top
R2#13  10k  [R_0805]  80.7 86.6 270 top
R2#14  10k  [R_0805]  50.7 86.6 270 top
R2#15  10k  [R_0805]  20.7 86.6 270 top
R2#16  10k  [R_0805]  20.7 86.6 270 top
R2#17  10k  [R_0805]  50.7 86.6 270 top
R2#18  10k  [R_0805]  80.7 86.6 270 top
R2#19  10k  [R_0805]  110.7 86.6 270 top
R2#20  10k  [R_0805]  140.7 86.6 270 top
R2#21  10k  [R_0805]  20.7 34.6 270 top
R2#22  10k  [R_0805]  20.7 34.6 270 top
R2#23  10k  [R_0805]  20.7 34.6 270 top
R2#24  10k  [R_0805]  20.7 34.6 270 top
R2#25  10k  [R_0805]  80.7 34.6 270 top
R2#26  10k  [R_0805]  80.7 34.6 270 top
R2#27  10k  [R_0805]  80.7 34.6 270 top
R2#28  10k  [R_0805]  80.7 34.6 270 top
R2#29  10k  [R_0805]  50.7 34.6 270 top
R2#30  10k  [R_0805]  50.7 34.6 270 top
R2#31  10k  [R_0805]  50.7 34.6 270 top
R2#32  10k  [R_0805]  50.7 34.6 270 top
R2#33  10k  [R_0805]  140.7 34.6 270 top
R2#34  10k  [R_0805]  140.7 34.6 270 top
R2#35  10k  [R_0805]  140.7 34.6 270 top
R2#36  10k  [R_0805]  140.7 34.6 270 top
R2#37  10k  [R_0805]  110.7 34.6 270 top
R2#38  10k  [R_0805]  110.7 34.6 270 top
R2#39  10k  [R_0805]  110.7 34.6 270 top
R2#40  10k  [R_0805]  110.7 34.6 270 top
R3  10k  [R_0805]  10.5 66.8 270 top
R3#2  10k  [R_0805]  40.5 66.8 270 top
R3#3  10k  [R_0805]  70.5 66.8 270 top
R3#4  10k  [R_0805]  100.5 66.8 270 top
R3#5  10k  [R_0805]  130.5 66.8 270 top
R3#6  10k  [R_0805]  10.5 66.8 270 top
R3#7  10k  [R_0805]  40.5 66.8 270 top
R3#8  10k  [R_0805]  70.5 66.8 270 top
R3#9  10k  [R_0805]  100.5 66.8 270 top
R3#10  10k  [R_0805]  130.5 66.8 270 top
R3#11  10k  [R_0805]  130.5 66.8 270 top
R3#12  10k  [R_0805]  100.5 66.8 270 top
R3#13  10k  [R_0805]  70.5 66.8 270 top
R3#14  10k  [R_0805]  40.5 66.8 270 top
R3#15  10k  [R_0805]  10.5 66.8 270 top
R3#16  10k  [R_0805]  10.5 66.8 270 top
R3#17  10k  [R_0805]  40.5 66.8 270 top
R3#18  10k  [R_0805]  70.5 66.8 270 top
R3#19  10k  [R_0805]  100.5 66.8 270 top
R3#20  10k  [R_0805]  130.5 66.8 270 top
R3#21  10k  [R_0805]  70.5 14.8 270 top
R3#22  10k  [R_0805]  70.5 14.8 270 top
R3#23  10k  [R_0805]  70.5 14.8 270 top
R3#24  10k  [R_0805]  70.5 14.8 270 top
R3#25  10k  [R_0805]  40.5 14.8 270 top
R3#26  10k  [R_0805]  40.5 14.8 270 top
R3#27  10k  [R_0805]  40.5 14.8 270 top
R3#28  10k  [R_0805]  40.5 14.8 270 top
R3#29  10k  [R_0805]  10.5 14.8 270 top
R3#30  10k  [R_0805]  10.5 14.8 270 top
R3#31  10k  [R_0805]  10.5 14.8 270 top
R3#32  10k  [R_0805]  10.5 14.8 270 top
R3#33  10k  [R_0805]  100.5 14.8 270 top
R3#34  10k  [R_0805]  100.5 14.8 270 top
R3#35  10k  [R_0805]  100.5 14.8 270 top
R3#36  10k  [R_0805]  100.5 14.8 270 top
R3#37  10k  [R_0805]  130.5 14.8 270 top
R3#38  10k  [R_0805]  130.5 14.8 270 top
R3#39  10k  [R_0805]  130.5 14.8 270 top
R3#40  10k  [R_0805]  130.5 14.8 270 top
R4  10k  [R_0805]  8 66.8 270 top
R4#2  10k  [R_0805]  38 66.8 270 top
R4#3  10k  [R_0805]  68 66.8 270 top
R4#4  10k  [R_0805]  98 66.8 270 top
R4#5  10k  [R_0805]  128 66.8 270 top
R4#6  10k  [R_0805]  8 66.8 270 top
R4#7  10k  [R_0805]  38 66.8 270 top
R4#8  10k  [R_0805]  68 66.8 270 top
R4#9  10k  [R_0805]  98 66.8 270 top
R4#10  10k  [R_0805]  128 66.8 270 top
R4#11  10k  [R_0805]  128 66.8 270 top
R4#12  10k  [R_0805]  98 66.8 270 top
R4#13  10k  [R_0805]  68 66.8 270 top
R4#14  10k  [R_0805]  38 66.8 270 top
R4#15  10k  [R_0805]  8 66.8 270 top
R4#16  10k  [R_0805]  8 66.8 270 top
R4#17  10k  [R_0805]  38 66.8 270 top
R4#18  10k  [R_0805]  68 66.8 270 top
R4#19  10k  [R_0805]  98 66.8 270 top
R4#20  10k  [R_0805]  128 66.8 270 top
R4#21  10k  [R_0805]  68 14.8 270 top
R4#22  10k  [R_0805]  68 14.8 270 top
R4#23  10k  [R_0805]  68 14.8 270 top
R4#24  10k  [R_0805]  68 14.8 270 top
